# EAGLE board working (EAGLE 9.6.2), part 6 of 28 (continued)
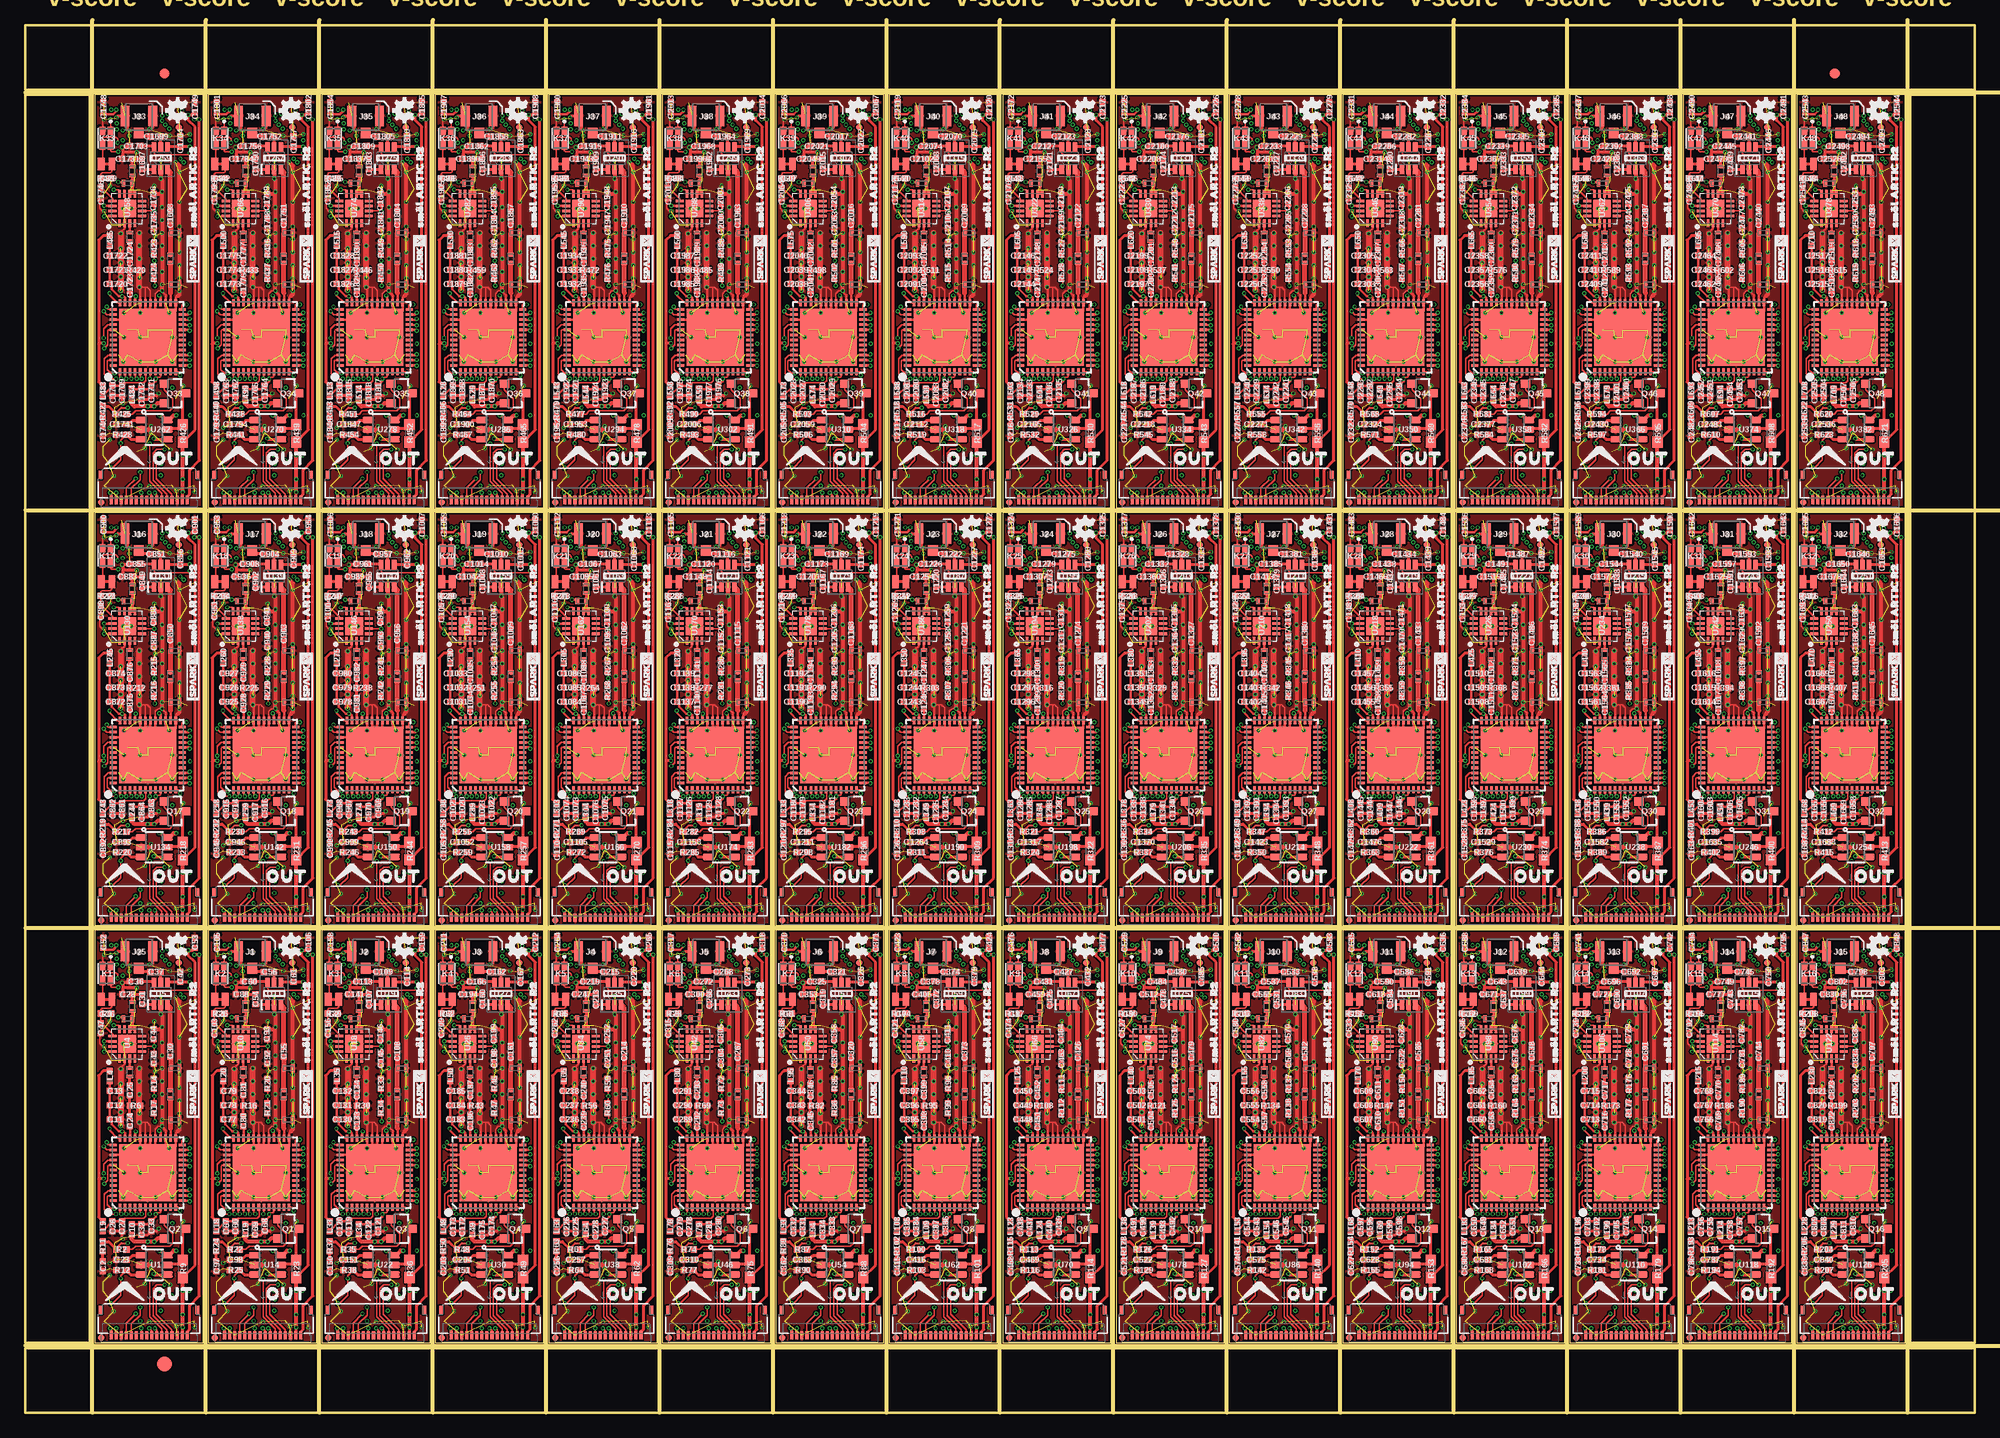
[diagram p0: board, top side]
## Placement (x,y rotation side) (continued)
U$71  [SM�L_ARTIC_R20]  105.92,38.48 90 top
U$72  [SM�L_ARTIC_R20]  101.6,31.31 0 bottom
U$73  SPARKX-LOGO3  [SPARKX-SMALL]  112.78,32.96 0 bottom
U$74  SPARKX-LOGO2  [SPARKX-TINY]  117.09,31.37 90 top
U$75  [OUT0]  115.19,11.68 0 top
U$76  SMOL_LOGOSMALL  [SMOL_SMALL]  110.36,12.19 0 top
U$77  SMOL_LOGOSMALL  [SMOL_SMALL]  112.78,42.67 0 bottom
U$78  [IN0]  112.78,41.15 0 bottom
U$79  [SM�L_ARTIC_R20]  117.09,38.48 90 top
U$80  [SM�L_ARTIC_R20]  112.78,31.31 0 bottom
U$81  SPARKX-LOGO3  [SPARKX-SMALL]  123.95,32.96 0 bottom
U$82  SPARKX-LOGO2  [SPARKX-TINY]  128.27,31.37 90 top
U$83  [OUT0]  126.37,11.68 0 top
U$84  SMOL_LOGOSMALL  [SMOL_SMALL]  121.54,12.19 0 top
U$85  SMOL_LOGOSMALL  [SMOL_SMALL]  123.95,42.67 0 bottom
U$86  [IN0]  123.95,41.15 0 bottom
U$87  [SM�L_ARTIC_R20]  128.27,38.48 90 top
U$88  [SM�L_ARTIC_R20]  123.95,31.31 0 bottom
U$89  SPARKX-LOGO3  [SPARKX-SMALL]  135.13,32.96 0 bottom
U$90  SPARKX-LOGO2  [SPARKX-TINY]  139.45,31.37 90 top
U$91  [OUT0]  137.54,11.68 0 top
U$92  SMOL_LOGOSMALL  [SMOL_SMALL]  132.72,12.19 0 top
U$93  SMOL_LOGOSMALL  [SMOL_SMALL]  135.13,42.67 0 bottom
U$94  [IN0]  135.13,41.15 0 bottom
U$95  [SM�L_ARTIC_R20]  139.45,38.48 90 top
U$96  [SM�L_ARTIC_R20]  135.13,31.31 0 bottom
U$97  SPARKX-LOGO3  [SPARKX-SMALL]  146.3,32.96 0 bottom
U$98  SPARKX-LOGO2  [SPARKX-TINY]  150.62,31.37 90 top
U$99  [OUT0]  148.72,11.68 0 top
U$100  SMOL_LOGOSMALL  [SMOL_SMALL]  143.89,12.19 0 top
U$101  SMOL_LOGOSMALL  [SMOL_SMALL]  146.3,42.67 0 bottom
U$102  [IN0]  146.3,41.15 0 bottom
U$103  [SM�L_ARTIC_R20]  150.62,38.48 90 top
U$104  [SM�L_ARTIC_R20]  146.3,31.31 0 bottom
U$105  SPARKX-LOGO3  [SPARKX-SMALL]  157.48,32.96 0 bottom
U$106  SPARKX-LOGO2  [SPARKX-TINY]  161.8,31.37 90 top
U$107  [OUT0]  159.89,11.68 0 top
U$108  SMOL_LOGOSMALL  [SMOL_SMALL]  155.07,12.19 0 top
U$109  SMOL_LOGOSMALL  [SMOL_SMALL]  157.48,42.67 0 bottom
U$110  [IN0]  157.48,41.15 0 bottom
U$111  [SM�L_ARTIC_R20]  161.8,38.48 90 top
U$112  [SM�L_ARTIC_R20]  157.48,31.31 0 bottom
U$113  SPARKX-LOGO3  [SPARKX-SMALL]  168.66,32.96 0 bottom
U$114  SPARKX-LOGO2  [SPARKX-TINY]  172.97,31.37 90 top
U$115  [OUT0]  171.07,11.68 0 top
U$116  SMOL_LOGOSMALL  [SMOL_SMALL]  166.24,12.19 0 top
U$117  SMOL_LOGOSMALL  [SMOL_SMALL]  168.66,42.67 0 bottom
U$118  [IN0]  168.66,41.15 0 bottom
U$119  [SM�L_ARTIC_R20]  172.97,38.48 90 top
U$120  [SM�L_ARTIC_R20]  168.66,31.31 0 bottom
U$121  SPARKX-LOGO3  [SPARKX-SMALL]  179.83,32.96 0 bottom
U$122  SPARKX-LOGO2  [SPARKX-TINY]  184.15,31.37 90 top
U$123  [OUT0]  182.25,11.68 0 top
U$124  SMOL_LOGOSMALL  [SMOL_SMALL]  177.42,12.19 0 top
U$125  SMOL_LOGOSMALL  [SMOL_SMALL]  179.83,42.67 0 bottom
U$126  [IN0]  179.83,41.15 0 bottom
U$127  [SM�L_ARTIC_R20]  184.15,38.48 90 top
U$128  [SM�L_ARTIC_R20]  179.83,31.31 0 bottom
U$129  SPARKX-LOGO3  [SPARKX-SMALL]  12.19,74.1 0 bottom
U$130  SPARKX-LOGO2  [SPARKX-TINY]  16.51,72.52 90 top
U$131  [OUT0]  14.61,52.83 0 top
U$132  SMOL_LOGOSMALL  [SMOL_SMALL]  9.78,53.34 0 top
U$133  SMOL_LOGOSMALL  [SMOL_SMALL]  12.19,83.82 0 bottom
U$134  [IN0]  12.19,82.3 0 bottom
U$135  [SM�L_ARTIC_R20]  16.51,79.63 90 top
U$136  [SM�L_ARTIC_R20]  12.19,72.45 0 bottom
U$137  SPARKX-LOGO3  [SPARKX-SMALL]  23.37,74.1 0 bottom
U$138  SPARKX-LOGO2  [SPARKX-TINY]  27.69,72.52 90 top
U$139  [OUT0]  25.78,52.83 0 top
U$140  SMOL_LOGOSMALL  [SMOL_SMALL]  20.95,53.34 0 top
U$141  SMOL_LOGOSMALL  [SMOL_SMALL]  23.37,83.82 0 bottom
U$142  [IN0]  23.37,82.3 0 bottom
U$143  [SM�L_ARTIC_R20]  27.69,79.63 90 top
U$144  [SM�L_ARTIC_R20]  23.37,72.45 0 bottom
U$145  SPARKX-LOGO3  [SPARKX-SMALL]  34.54,74.1 0 bottom
U$146  SPARKX-LOGO2  [SPARKX-TINY]  38.86,72.52 90 top
U$147  [OUT0]  36.96,52.83 0 top
U$148  SMOL_LOGOSMALL  [SMOL_SMALL]  32.13,53.34 0 top
U$149  SMOL_LOGOSMALL  [SMOL_SMALL]  34.54,83.82 0 bottom
U$150  [IN0]  34.54,82.3 0 bottom
U$151  [SM�L_ARTIC_R20]  38.86,79.63 90 top
U$152  [SM�L_ARTIC_R20]  34.54,72.45 0 bottom
U$153  SPARKX-LOGO3  [SPARKX-SMALL]  45.72,74.1 0 bottom
U$154  SPARKX-LOGO2  [SPARKX-TINY]  50.04,72.52 90 top
U$155  [OUT0]  48.13,52.83 0 top
U$156  SMOL_LOGOSMALL  [SMOL_SMALL]  43.31,53.34 0 top
U$157  SMOL_LOGOSMALL  [SMOL_SMALL]  45.72,83.82 0 bottom
U$158  [IN0]  45.72,82.3 0 bottom
U$159  [SM�L_ARTIC_R20]  50.04,79.63 90 top
U$160  [SM�L_ARTIC_R20]  45.72,72.45 0 bottom
U$161  SPARKX-LOGO3  [SPARKX-SMALL]  56.9,74.1 0 bottom
U$162  SPARKX-LOGO2  [SPARKX-TINY]  61.21,72.52 90 top
U$163  [OUT0]  59.31,52.83 0 top
U$164  SMOL_LOGOSMALL  [SMOL_SMALL]  54.48,53.34 0 top
U$165  SMOL_LOGOSMALL  [SMOL_SMALL]  56.9,83.82 0 bottom
U$166  [IN0]  56.9,82.3 0 bottom
U$167  [SM�L_ARTIC_R20]  61.21,79.63 90 top
U$168  [SM�L_ARTIC_R20]  56.9,72.45 0 bottom
U$169  SPARKX-LOGO3  [SPARKX-SMALL]  68.07,74.1 0 bottom
U$170  SPARKX-LOGO2  [SPARKX-TINY]  72.39,72.52 90 top
U$171  [OUT0]  70.48,52.83 0 top
U$172  SMOL_LOGOSMALL  [SMOL_SMALL]  65.66,53.34 0 top
U$173  SMOL_LOGOSMALL  [SMOL_SMALL]  68.07,83.82 0 bottom
U$174  [IN0]  68.07,82.3 0 bottom
U$175  [SM�L_ARTIC_R20]  72.39,79.63 90 top
U$176  [SM�L_ARTIC_R20]  68.07,72.45 0 bottom
U$177  SPARKX-LOGO3  [SPARKX-SMALL]  79.25,74.1 0 bottom
U$178  SPARKX-LOGO2  [SPARKX-TINY]  83.57,72.52 90 top
U$179  [OUT0]  81.66,52.83 0 top
U$180  SMOL_LOGOSMALL  [SMOL_SMALL]  76.84,53.34 0 top
U$181  SMOL_LOGOSMALL  [SMOL_SMALL]  79.25,83.82 0 bottom
U$182  [IN0]  79.25,82.3 0 bottom
U$183  [SM�L_ARTIC_R20]  83.57,79.63 90 top
U$184  [SM�L_ARTIC_R20]  79.25,72.45 0 bottom
U$185  SPARKX-LOGO3  [SPARKX-SMALL]  90.42,74.1 0 bottom
U$186  SPARKX-LOGO2  [SPARKX-TINY]  94.74,72.52 90 top
U$187  [OUT0]  92.84,52.83 0 top
U$188  SMOL_LOGOSMALL  [SMOL_SMALL]  88.01,53.34 0 top
U$189  SMOL_LOGOSMALL  [SMOL_SMALL]  90.42,83.82 0 bottom
U$190  [IN0]  90.42,82.3 0 bottom
U$191  [SM�L_ARTIC_R20]  94.74,79.63 90 top
U$192  [SM�L_ARTIC_R20]  90.42,72.45 0 bottom
U$193  SPARKX-LOGO3  [SPARKX-SMALL]  101.6,74.1 0 bottom
U$194  SPARKX-LOGO2  [SPARKX-TINY]  105.92,72.52 90 top
U$195  [OUT0]  104.01,52.83 0 top
U$196  SMOL_LOGOSMALL  [SMOL_SMALL]  99.19,53.34 0 top
U$197  SMOL_LOGOSMALL  [SMOL_SMALL]  101.6,83.82 0 bottom
U$198  [IN0]  101.6,82.3 0 bottom
U$199  [SM�L_ARTIC_R20]  105.92,79.63 90 top
U$200  [SM�L_ARTIC_R20]  101.6,72.45 0 bottom
U$201  SPARKX-LOGO3  [SPARKX-SMALL]  112.78,74.1 0 bottom
U$202  SPARKX-LOGO2  [SPARKX-TINY]  117.09,72.52 90 top
U$203  [OUT0]  115.19,52.83 0 top
U$204  SMOL_LOGOSMALL  [SMOL_SMALL]  110.36,53.34 0 top
U$205  SMOL_LOGOSMALL  [SMOL_SMALL]  112.78,83.82 0 bottom
U$206  [IN0]  112.78,82.3 0 bottom
U$207  [SM�L_ARTIC_R20]  117.09,79.63 90 top
U$208  [SM�L_ARTIC_R20]  112.78,72.45 0 bottom
U$209  SPARKX-LOGO3  [SPARKX-SMALL]  123.95,74.1 0 bottom
U$210  SPARKX-LOGO2  [SPARKX-TINY]  128.27,72.52 90 top
U$211  [OUT0]  126.37,52.83 0 top
U$212  SMOL_LOGOSMALL  [SMOL_SMALL]  121.54,53.34 0 top
U$213  SMOL_LOGOSMALL  [SMOL_SMALL]  123.95,83.82 0 bottom
U$214  [IN0]  123.95,82.3 0 bottom
U$215  [SM�L_ARTIC_R20]  128.27,79.63 90 top
U$216  [SM�L_ARTIC_R20]  123.95,72.45 0 bottom
U$217  SPARKX-LOGO3  [SPARKX-SMALL]  135.13,74.1 0 bottom
U$218  SPARKX-LOGO2  [SPARKX-TINY]  139.45,72.52 90 top
U$219  [OUT0]  137.54,52.83 0 top
U$220  SMOL_LOGOSMALL  [SMOL_SMALL]  132.72,53.34 0 top
U$221  SMOL_LOGOSMALL  [SMOL_SMALL]  135.13,83.82 0 bottom
U$222  [IN0]  135.13,82.3 0 bottom
U$223  [SM�L_ARTIC_R20]  139.45,79.63 90 top
U$224  [SM�L_ARTIC_R20]  135.13,72.45 0 bottom
U$225  SPARKX-LOGO3  [SPARKX-SMALL]  146.3,74.1 0 bottom
U$226  SPARKX-LOGO2  [SPARKX-TINY]  150.62,72.52 90 top
U$227  [OUT0]  148.72,52.83 0 top
U$228  SMOL_LOGOSMALL  [SMOL_SMALL]  143.89,53.34 0 top
U$229  SMOL_LOGOSMALL  [SMOL_SMALL]  146.3,83.82 0 bottom
U$230  [IN0]  146.3,82.3 0 bottom
U$231  [SM�L_ARTIC_R20]  150.62,79.63 90 top
U$232  [SM�L_ARTIC_R20]  146.3,72.45 0 bottom
U$233  SPARKX-LOGO3  [SPARKX-SMALL]  157.48,74.1 0 bottom
U$234  SPARKX-LOGO2  [SPARKX-TINY]  161.8,72.52 90 top
U$235  [OUT0]  159.89,52.83 0 top
U$236  SMOL_LOGOSMALL  [SMOL_SMALL]  155.07,53.34 0 top
U$237  SMOL_LOGOSMALL  [SMOL_SMALL]  157.48,83.82 0 bottom
U$238  [IN0]  157.48,82.3 0 bottom
U$239  [SM�L_ARTIC_R20]  161.8,79.63 90 top
U$240  [SM�L_ARTIC_R20]  157.48,72.45 0 bottom
U$241  SPARKX-LOGO3  [SPARKX-SMALL]  168.66,74.1 0 bottom
U$242  SPARKX-LOGO2  [SPARKX-TINY]  172.97,72.52 90 top
U$243  [OUT0]  171.07,52.83 0 top
U$244  SMOL_LOGOSMALL  [SMOL_SMALL]  166.24,53.34 0 top
U$245  SMOL_LOGOSMALL  [SMOL_SMALL]  168.66,83.82 0 bottom
U$246  [IN0]  168.66,82.3 0 bottom
U$247  [SM�L_ARTIC_R20]  172.97,79.63 90 top
U$248  [SM�L_ARTIC_R20]  168.66,72.45 0 bottom
U$249  SPARKX-LOGO3  [SPARKX-SMALL]  179.83,74.1 0 bottom
U$250  SPARKX-LOGO2  [SPARKX-TINY]  184.15,72.52 90 top
U$251  [OUT0]  182.25,52.83 0 top
U$252  SMOL_LOGOSMALL  [SMOL_SMALL]  177.42,53.34 0 top
U$253  SMOL_LOGOSMALL  [SMOL_SMALL]  179.83,83.82 0 bottom
U$254  [IN0]  179.83,82.3 0 bottom
U$255  [SM�L_ARTIC_R20]  184.15,79.63 90 top
U$256  [SM�L_ARTIC_R20]  179.83,72.45 0 bottom
U$257  SPARKX-LOGO3  [SPARKX-SMALL]  12.19,115.25 0 bottom
U$258  SPARKX-LOGO2  [SPARKX-TINY]  16.51,113.67 90 top
U$259  [OUT0]  14.61,93.98 0 top
U$260  SMOL_LOGOSMALL  [SMOL_SMALL]  9.78,94.49 0 top
U$261  SMOL_LOGOSMALL  [SMOL_SMALL]  12.19,124.97 0 bottom
U$262  [IN0]  12.19,123.44 0 bottom
U$263  [SM�L_ARTIC_R20]  16.51,120.78 90 top
U$264  [SM�L_ARTIC_R20]  12.19,113.6 0 bottom
U$265  SPARKX-LOGO3  [SPARKX-SMALL]  23.37,115.25 0 bottom
U$266  SPARKX-LOGO2  [SPARKX-TINY]  27.69,113.67 90 top
U$267  [OUT0]  25.78,93.98 0 top
U$268  SMOL_LOGOSMALL  [SMOL_SMALL]  20.95,94.49 0 top
U$269  SMOL_LOGOSMALL  [SMOL_SMALL]  23.37,124.97 0 bottom
U$270  [IN0]  23.37,123.44 0 bottom
U$271  [SM�L_ARTIC_R20]  27.69,120.78 90 top
U$272  [SM�L_ARTIC_R20]  23.37,113.6 0 bottom
U$273  SPARKX-LOGO3  [SPARKX-SMALL]  34.54,115.25 0 bottom
U$274  SPARKX-LOGO2  [SPARKX-TINY]  38.86,113.67 90 top
U$275  [OUT0]  36.96,93.98 0 top
U$276  SMOL_LOGOSMALL  [SMOL_SMALL]  32.13,94.49 0 top
U$277  SMOL_LOGOSMALL  [SMOL_SMALL]  34.54,124.97 0 bottom
U$278  [IN0]  34.54,123.44 0 bottom
U$279  [SM�L_ARTIC_R20]  38.86,120.78 90 top
U$280  [SM�L_ARTIC_R20]  34.54,113.6 0 bottom
U$281  SPARKX-LOGO3  [SPARKX-SMALL]  45.72,115.25 0 bottom
U$282  SPARKX-LOGO2  [SPARKX-TINY]  50.04,113.67 90 top
U$283  [OUT0]  48.13,93.98 0 top
U$284  SMOL_LOGOSMALL  [SMOL_SMALL]  43.31,94.49 0 top
U$285  SMOL_LOGOSMALL  [SMOL_SMALL]  45.72,124.97 0 bottom
U$286  [IN0]  45.72,123.44 0 bottom
U$287  [SM�L_ARTIC_R20]  50.04,120.78 90 top
U$288  [SM�L_ARTIC_R20]  45.72,113.6 0 bottom
U$289  SPARKX-LOGO3  [SPARKX-SMALL]  56.9,115.25 0 bottom
U$290  SPARKX-LOGO2  [SPARKX-TINY]  61.21,113.67 90 top
U$291  [OUT0]  59.31,93.98 0 top
U$292  SMOL_LOGOSMALL  [SMOL_SMALL]  54.48,94.49 0 top
U$293  SMOL_LOGOSMALL  [SMOL_SMALL]  56.9,124.97 0 bottom
U$294  [IN0]  56.9,123.44 0 bottom
U$295  [SM�L_ARTIC_R20]  61.21,120.78 90 top
U$296  [SM�L_ARTIC_R20]  56.9,113.6 0 bottom
U$297  SPARKX-LOGO3  [SPARKX-SMALL]  68.07,115.25 0 bottom
U$298  SPARKX-LOGO2  [SPARKX-TINY]  72.39,113.67 90 top
U$299  [OUT0]  70.48,93.98 0 top
U$300  SMOL_LOGOSMALL  [SMOL_SMALL]  65.66,94.49 0 top
U$301  SMOL_LOGOSMALL  [SMOL_SMALL]  68.07,124.97 0 bottom
U$302  [IN0]  68.07,123.44 0 bottom
U$303  [SM�L_ARTIC_R20]  72.39,120.78 90 top
U$304  [SM�L_ARTIC_R20]  68.07,113.6 0 bottom
U$305  SPARKX-LOGO3  [SPARKX-SMALL]  79.25,115.25 0 bottom
U$306  SPARKX-LOGO2  [SPARKX-TINY]  83.57,113.67 90 top
U$307  [OUT0]  81.66,93.98 0 top
U$308  SMOL_LOGOSMALL  [SMOL_SMALL]  76.84,94.49 0 top
U$309  SMOL_LOGOSMALL  [SMOL_SMALL]  79.25,124.97 0 bottom
U$310  [IN0]  79.25,123.44 0 bottom
U$311  [SM�L_ARTIC_R20]  83.57,120.78 90 top
U$312  [SM�L_ARTIC_R20]  79.25,113.6 0 bottom
U$313  SPARKX-LOGO3  [SPARKX-SMALL]  90.42,115.25 0 bottom
U$314  SPARKX-LOGO2  [SPARKX-TINY]  94.74,113.67 90 top
U$315  [OUT0]  92.84,93.98 0 top
U$316  SMOL_LOGOSMALL  [SMOL_SMALL]  88.01,94.49 0 top
U$317  SMOL_LOGOSMALL  [SMOL_SMALL]  90.42,124.97 0 bottom
U$318  [IN0]  90.42,123.44 0 bottom
U$319  [SM�L_ARTIC_R20]  94.74,120.78 90 top
U$320  [SM�L_ARTIC_R20]  90.42,113.6 0 bottom
U$321  SPARKX-LOGO3  [SPARKX-SMALL]  101.6,115.25 0 bottom
U$322  SPARKX-LOGO2  [SPARKX-TINY]  105.92,113.67 90 top
U$323  [OUT0]  104.01,93.98 0 top
U$324  SMOL_LOGOSMALL  [SMOL_SMALL]  99.19,94.49 0 top
U$325  SMOL_LOGOSMALL  [SMOL_SMALL]  101.6,124.97 0 bottom
U$326  [IN0]  101.6,123.44 0 bottom
U$327  [SM�L_ARTIC_R20]  105.92,120.78 90 top
U$328  [SM�L_ARTIC_R20]  101.6,113.6 0 bottom
U$329  SPARKX-LOGO3  [SPARKX-SMALL]  112.78,115.25 0 bottom
U$330  SPARKX-LOGO2  [SPARKX-TINY]  117.09,113.67 90 top
U$331  [OUT0]  115.19,93.98 0 top
U$332  SMOL_LOGOSMALL  [SMOL_SMALL]  110.36,94.49 0 top
U$333  SMOL_LOGOSMALL  [SMOL_SMALL]  112.78,124.97 0 bottom
U$334  [IN0]  112.78,123.44 0 bottom
U$335  [SM�L_ARTIC_R20]  117.09,120.78 90 top
U$336  [SM�L_ARTIC_R20]  112.78,113.6 0 bottom
U$337  SPARKX-LOGO3  [SPARKX-SMALL]  123.95,115.25 0 bottom
U$338  SPARKX-LOGO2  [SPARKX-TINY]  128.27,113.67 90 top
U$339  [OUT0]  126.37,93.98 0 top
U$340  SMOL_LOGOSMALL  [SMOL_SMALL]  121.54,94.49 0 top
U$341  SMOL_LOGOSMALL  [SMOL_SMALL]  123.95,124.97 0 bottom
U$342  [IN0]  123.95,123.44 0 bottom
U$343  [SM�L_ARTIC_R20]  128.27,120.78 90 top
U$344  [SM�L_ARTIC_R20]  123.95,113.6 0 bottom
U$345  SPARKX-LOGO3  [SPARKX-SMALL]  135.13,115.25 0 bottom
U$346  SPARKX-LOGO2  [SPARKX-TINY]  139.45,113.67 90 top
U$347  [OUT0]  137.54,93.98 0 top
U$348  SMOL_LOGOSMALL  [SMOL_SMALL]  132.72,94.49 0 top
U$349  SMOL_LOGOSMALL  [SMOL_SMALL]  135.13,124.97 0 bottom
U$350  [IN0]  135.13,123.44 0 bottom
U$351  [SM�L_ARTIC_R20]  139.45,120.78 90 top
U$352  [SM�L_ARTIC_R20]  135.13,113.6 0 bottom
U$353  SPARKX-LOGO3  [SPARKX-SMALL]  146.3,115.25 0 bottom
U$354  SPARKX-LOGO2  [SPARKX-TINY]  150.62,113.67 90 top
U$355  [OUT0]  148.72,93.98 0 top
U$356  SMOL_LOGOSMALL  [SMOL_SMALL]  143.89,94.49 0 top
U$357  SMOL_LOGOSMALL  [SMOL_SMALL]  146.3,124.97 0 bottom
U$358  [IN0]  146.3,123.44 0 bottom
U$359  [SM�L_ARTIC_R20]  150.62,120.78 90 top
U$360  [SM�L_ARTIC_R20]  146.3,113.6 0 bottom
U$361  SPARKX-LOGO3  [SPARKX-SMALL]  157.48,115.25 0 bottom
U$362  SPARKX-LOGO2  [SPARKX-TINY]  161.8,113.67 90 top
U$363  [OUT0]  159.89,93.98 0 top
U$364  SMOL_LOGOSMALL  [SMOL_SMALL]  155.07,94.49 0 top
U$365  SMOL_LOGOSMALL  [SMOL_SMALL]  157.48,124.97 0 bottom
U$366  [IN0]  157.48,123.44 0 bottom
U$367  [SM�L_ARTIC_R20]  161.8,120.78 90 top
U$368  [SM�L_ARTIC_R20]  157.48,113.6 0 bottom
U$369  SPARKX-LOGO3  [SPARKX-SMALL]  168.66,115.25 0 bottom
U$370  SPARKX-LOGO2  [SPARKX-TINY]  172.97,113.67 90 top
U$371  [OUT0]  171.07,93.98 0 top
U$372  SMOL_LOGOSMALL  [SMOL_SMALL]  166.24,94.49 0 top
U$373  SMOL_LOGOSMALL  [SMOL_SMALL]  168.66,124.97 0 bottom
U$374  [IN0]  168.66,123.44 0 bottom
U$375  [SM�L_ARTIC_R20]  172.97,120.78 90 top
U$376  [SM�L_ARTIC_R20]  168.66,113.6 0 bottom
U$377  SPARKX-LOGO3  [SPARKX-SMALL]  179.83,115.25 0 bottom
U$378  SPARKX-LOGO2  [SPARKX-TINY]  184.15,113.67 90 top
U$379  [OUT0]  182.25,93.98 0 top
U$380  SMOL_LOGOSMALL  [SMOL_SMALL]  177.42,94.49 0 top
U$381  SMOL_LOGOSMALL  [SMOL_SMALL]  179.83,124.97 0 bottom
U$382  [IN0]  179.83,123.44 0 bottom
U$383  [SM�L_ARTIC_R20]  184.15,120.78 90 top
U$384  [SM�L_ARTIC_R20]  179.83,113.6 0 bottom
VDD  TEST-POINT3  [PAD.03X.03]  16.89,32.26 0 bottom
VDD1  TEST-POINT3  [PAD.03X.03]  28.07,32.26 0 bottom
VDD2  TEST-POINT3  [PAD.03X.03]  39.24,32.26 0 bottom
VDD3  TEST-POINT3  [PAD.03X.03]  50.42,32.26 0 bottom
VDD4  TEST-POINT3  [PAD.03X.03]  61.59,32.26 0 bottom
VDD5  TEST-POINT3  [PAD.03X.03]  72.77,32.26 0 bottom
VDD6  TEST-POINT3  [PAD.03X.03]  83.95,32.26 0 bottom
VDD7  TEST-POINT3  [PAD.03X.03]  95.12,32.26 0 bottom
VDD8  TEST-POINT3  [PAD.03X.03]  106.3,32.26 0 bottom
VDD9  TEST-POINT3  [PAD.03X.03]  117.48,32.26 0 bottom
VDD10  TEST-POINT3  [PAD.03X.03]  128.65,32.26 0 bottom
VDD11  TEST-POINT3  [PAD.03X.03]  139.83,32.26 0 bottom
VDD12  TEST-POINT3  [PAD.03X.03]  151,32.26 0 bottom
VDD13  TEST-POINT3  [PAD.03X.03]  162.18,32.26 0 bottom
VDD14  TEST-POINT3  [PAD.03X.03]  173.36,32.26 0 bottom
VDD15  TEST-POINT3  [PAD.03X.03]  184.53,32.26 0 bottom
VDD16  TEST-POINT3  [PAD.03X.03]  16.89,73.41 0 bottom
VDD17  TEST-POINT3  [PAD.03X.03]  28.07,73.41 0 bottom
VDD18  TEST-POINT3  [PAD.03X.03]  39.24,73.41 0 bottom
VDD19  TEST-POINT3  [PAD.03X.03]  50.42,73.41 0 bottom
VDD20  TEST-POINT3  [PAD.03X.03]  61.59,73.41 0 bottom
VDD21  TEST-POINT3  [PAD.03X.03]  72.77,73.41 0 bottom
VDD22  TEST-POINT3  [PAD.03X.03]  83.95,73.41 0 bottom
VDD23  TEST-POINT3  [PAD.03X.03]  95.12,73.41 0 bottom
VDD24  TEST-POINT3  [PAD.03X.03]  106.3,73.41 0 bottom
VDD25  TEST-POINT3  [PAD.03X.03]  117.48,73.41 0 bottom
VDD26  TEST-POINT3  [PAD.03X.03]  128.65,73.41 0 bottom
VDD27  TEST-POINT3  [PAD.03X.03]  139.83,73.41 0 bottom
VDD28  TEST-POINT3  [PAD.03X.03]  151,73.41 0 bottom
VDD29  TEST-POINT3  [PAD.03X.03]  162.18,73.41 0 bottom
VDD30  TEST-POINT3  [PAD.03X.03]  173.36,73.41 0 bottom
VDD31  TEST-POINT3  [PAD.03X.03]  184.53,73.41 0 bottom
VDD32  TEST-POINT3  [PAD.03X.03]  16.89,114.55 0 bottom
VDD33  TEST-POINT3  [PAD.03X.03]  28.07,114.55 0 bottom
VDD34  TEST-POINT3  [PAD.03X.03]  39.24,114.55 0 bottom
VDD35  TEST-POINT3  [PAD.03X.03]  50.42,114.55 0 bottom
VDD36  TEST-POINT3  [PAD.03X.03]  61.59,114.55 0 bottom
VDD37  TEST-POINT3  [PAD.03X.03]  72.77,114.55 0 bottom
VDD38  TEST-POINT3  [PAD.03X.03]  83.95,114.55 0 bottom
VDD39  TEST-POINT3  [PAD.03X.03]  95.12,114.55 0 bottom
VDD40  TEST-POINT3  [PAD.03X.03]  106.3,114.55 0 bottom
VDD41  TEST-POINT3  [PAD.03X.03]  117.48,114.55 0 bottom
VDD42  TEST-POINT3  [PAD.03X.03]  128.65,114.55 0 bottom
VDD43  TEST-POINT3  [PAD.03X.03]  139.83,114.55 0 bottom
VDD44  TEST-POINT3  [PAD.03X.03]  151,114.55 0 bottom
VDD45  TEST-POINT3  [PAD.03X.03]  162.18,114.55 0 bottom
VDD46  TEST-POINT3  [PAD.03X.03]  173.36,114.55 0 bottom
VDD47  TEST-POINT3  [PAD.03X.03]  184.53,114.55 0 bottom
X1  CRYSTAL-TCXO-26MHZ  [CRYSTAL-TCXO-SMD-1.65X1.25]  9.4,24.83 0 bottom
X2  CRYSTAL-TCXO-26MHZ  [CRYSTAL-TCXO-SMD-1.65X1.25]  20.57,24.83 0 bottom
X3  CRYSTAL-TCXO-26MHZ  [CRYSTAL-TCXO-SMD-1.65X1.25]  31.75,24.83 0 bottom
X4  CRYSTAL-TCXO-26MHZ  [CRYSTAL-TCXO-SMD-1.65X1.25]  42.93,24.83 0 bottom
X5  CRYSTAL-TCXO-26MHZ  [CRYSTAL-TCXO-SMD-1.65X1.25]  54.1,24.83 0 bottom
X6  CRYSTAL-TCXO-26MHZ  [CRYSTAL-TCXO-SMD-1.65X1.25]  65.28,24.83 0 bottom
X7  CRYSTAL-TCXO-26MHZ  [CRYSTAL-TCXO-SMD-1.65X1.25]  76.45,24.83 0 bottom
X8  CRYSTAL-TCXO-26MHZ  [CRYSTAL-TCXO-SMD-1.65X1.25]  87.63,24.83 0 bottom
X9  CRYSTAL-TCXO-26MHZ  [CRYSTAL-TCXO-SMD-1.65X1.25]  98.81,24.83 0 bottom
X10  CRYSTAL-TCXO-26MHZ  [CRYSTAL-TCXO-SMD-1.65X1.25]  109.98,24.83 0 bottom
X11  CRYSTAL-TCXO-26MHZ  [CRYSTAL-TCXO-SMD-1.65X1.25]  121.16,24.83 0 bottom
X12  CRYSTAL-TCXO-26MHZ  [CRYSTAL-TCXO-SMD-1.65X1.25]  132.33,24.83 0 bottom
X13  CRYSTAL-TCXO-26MHZ  [CRYSTAL-TCXO-SMD-1.65X1.25]  143.51,24.83 0 bottom
X14  CRYSTAL-TCXO-26MHZ  [CRYSTAL-TCXO-SMD-1.65X1.25]  154.69,24.83 0 bottom
X15  CRYSTAL-TCXO-26MHZ  [CRYSTAL-TCXO-SMD-1.65X1.25]  165.86,24.83 0 bottom
X16  CRYSTAL-TCXO-26MHZ  [CRYSTAL-TCXO-SMD-1.65X1.25]  177.04,24.83 0 bottom
X17  CRYSTAL-TCXO-26MHZ  [CRYSTAL-TCXO-SMD-1.65X1.25]  9.4,65.98 0 bottom
X18  CRYSTAL-TCXO-26MHZ  [CRYSTAL-TCXO-SMD-1.65X1.25]  20.57,65.98 0 bottom
X19  CRYSTAL-TCXO-26MHZ  [CRYSTAL-TCXO-SMD-1.65X1.25]  31.75,65.98 0 bottom
X20  CRYSTAL-TCXO-26MHZ  [CRYSTAL-TCXO-SMD-1.65X1.25]  42.93,65.98 0 bottom
X21  CRYSTAL-TCXO-26MHZ  [CRYSTAL-TCXO-SMD-1.65X1.25]  54.1,65.98 0 bottom
X22  CRYSTAL-TCXO-26MHZ  [CRYSTAL-TCXO-SMD-1.65X1.25]  65.28,65.98 0 bottom
X23  CRYSTAL-TCXO-26MHZ  [CRYSTAL-TCXO-SMD-1.65X1.25]  76.45,65.98 0 bottom
X24  CRYSTAL-TCXO-26MHZ  [CRYSTAL-TCXO-SMD-1.65X1.25]  87.63,65.98 0 bottom
X25  CRYSTAL-TCXO-26MHZ  [CRYSTAL-TCXO-SMD-1.65X1.25]  98.81,65.98 0 bottom
X26  CRYSTAL-TCXO-26MHZ  [CRYSTAL-TCXO-SMD-1.65X1.25]  109.98,65.98 0 bottom
X27  CRYSTAL-TCXO-26MHZ  [CRYSTAL-TCXO-SMD-1.65X1.25]  121.16,65.98 0 bottom
X28  CRYSTAL-TCXO-26MHZ  [CRYSTAL-TCXO-SMD-1.65X1.25]  132.33,65.98 0 bottom
X29  CRYSTAL-TCXO-26MHZ  [CRYSTAL-TCXO-SMD-1.65X1.25]  143.51,65.98 0 bottom
X30  CRYSTAL-TCXO-26MHZ  [CRYSTAL-TCXO-SMD-1.65X1.25]  154.69,65.98 0 bottom
X31  CRYSTAL-TCXO-26MHZ  [CRYSTAL-TCXO-SMD-1.65X1.25]  165.86,65.98 0 bottom
X32  CRYSTAL-TCXO-26MHZ  [CRYSTAL-TCXO-SMD-1.65X1.25]  177.04,65.98 0 bottom
X33  CRYSTAL-TCXO-26MHZ  [CRYSTAL-TCXO-SMD-1.65X1.25]  9.4,107.12 0 bottom
X34  CRYSTAL-TCXO-26MHZ  [CRYSTAL-TCXO-SMD-1.65X1.25]  20.57,107.12 0 bottom
X35  CRYSTAL-TCXO-26MHZ  [CRYSTAL-TCXO-SMD-1.65X1.25]  31.75,107.12 0 bottom
X36  CRYSTAL-TCXO-26MHZ  [CRYSTAL-TCXO-SMD-1.65X1.25]  42.93,107.12 0 bottom
X37  CRYSTAL-TCXO-26MHZ  [CRYSTAL-TCXO-SMD-1.65X1.25]  54.1,107.12 0 bottom
X38  CRYSTAL-TCXO-26MHZ  [CRYSTAL-TCXO-SMD-1.65X1.25]  65.28,107.12 0 bottom
X39  CRYSTAL-TCXO-26MHZ  [CRYSTAL-TCXO-SMD-1.65X1.25]  76.45,107.12 0 bottom
X40  CRYSTAL-TCXO-26MHZ  [CRYSTAL-TCXO-SMD-1.65X1.25]  87.63,107.12 0 bottom
X41  CRYSTAL-TCXO-26MHZ  [CRYSTAL-TCXO-SMD-1.65X1.25]  98.81,107.12 0 bottom
X42  CRYSTAL-TCXO-26MHZ  [CRYSTAL-TCXO-SMD-1.65X1.25]  109.98,107.12 0 bottom
X43  CRYSTAL-TCXO-26MHZ  [CRYSTAL-TCXO-SMD-1.65X1.25]  121.16,107.12 0 bottom
X44  CRYSTAL-TCXO-26MHZ  [CRYSTAL-TCXO-SMD-1.65X1.25]  132.33,107.12 0 bottom
X45  CRYSTAL-TCXO-26MHZ  [CRYSTAL-TCXO-SMD-1.65X1.25]  143.51,107.12 0 bottom
X46  CRYSTAL-TCXO-26MHZ  [CRYSTAL-TCXO-SMD-1.65X1.25]  154.69,107.12 0 bottom
X47  CRYSTAL-TCXO-26MHZ  [CRYSTAL-TCXO-SMD-1.65X1.25]  165.86,107.12 0 bottom
X48  CRYSTAL-TCXO-26MHZ  [CRYSTAL-TCXO-SMD-1.65X1.25]  177.04,107.12 0 bottom